# Altium PCB PCBrm.PcbDoc (part 4 of 7)
Units mm, origin at the board's own origin, x right, y up, seen from the top; angles counter-clockwise.
Board outline 220.73 x 137.67 mm, 2 copper layers (Top Layer, Bottom Layer); 138 components, 115 nets, 746 pads, 210 vias.
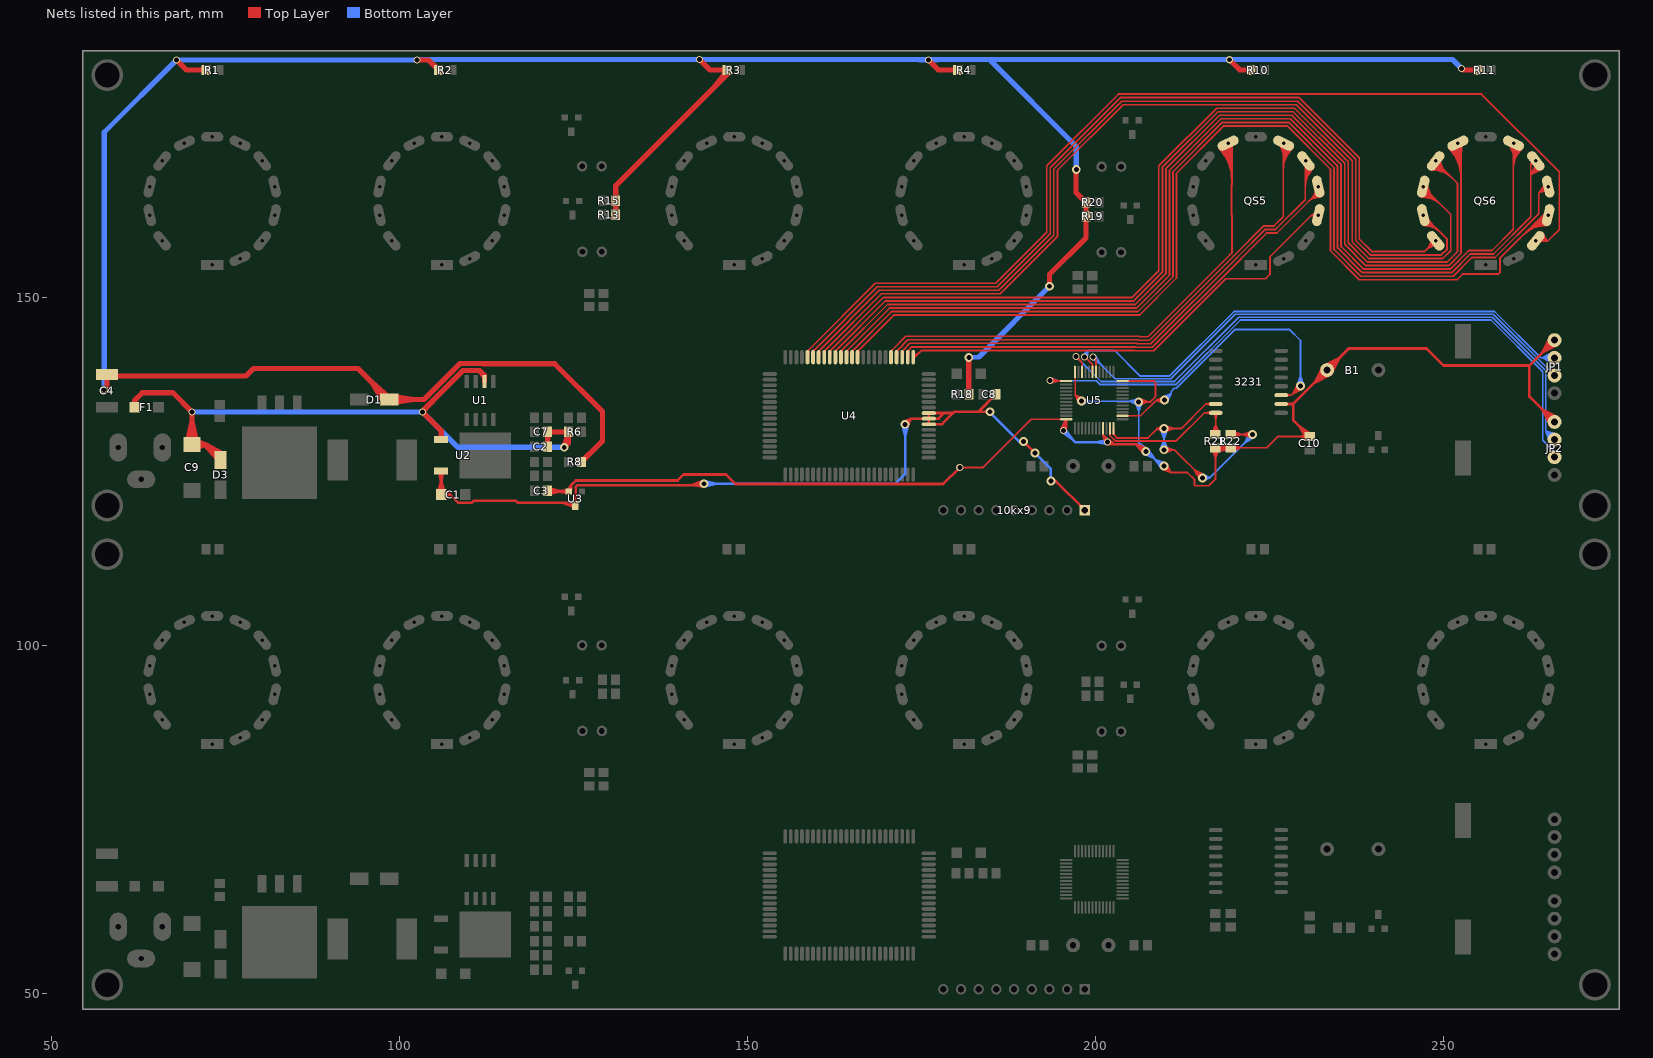
[diagram p4: the nets of this part, all layers, seen from the top]

## Via types
v1: diameter 1.27, hole 0.711, Top Layer to Bottom Layer, 118 vias
v2: diameter 1.016, hole 0.711, Top Layer to Bottom Layer, 52 vias
v3: diameter 0.61, hole 0.381, Top Layer to Bottom Layer, 40 vias

## Nets (pads, with @x,y where several pads share a name; then routed paths per layer and width w, separated by ;. In a path a pad name is that pad's centre, name@x,y a point inside that pad or via, vN(x,y) a via of type N, cw(c..) or ccw(c..) an arc to the next point about the centre after c; other vN are vias at no path point) (continued)
QS5-5: QS5.9 U4.45 | length 162.9
  Top Layer w0.254: U4.45@170.592,141.43 170.736,141.574 170.736,142.451 ; U4.45@170.716,142.26 cw(c170.844,142.344) 170.736,142.451 ; QS5.9@217.685,171.535 218.564,170.342 ; QS5.9@217.73,171.456 218.774,170.438 ; QS5.9@217.747,171.359 cw(c213.499,167.111) 219.507,167.111 ; QS5.9@217.904,171.669 218.564,170.342 ; QS5.9@217.925,171.623 218.774,170.438 ; QS5.9@217.927,171.538 cw(c214.112,167.724) 219.507,167.724 ; QS5.9@218.106,171.718 cw(c214.726,168.337) 219.507,168.337 ; QS5.9@218.286,171.898 cw(c215.339,168.951) 219.507,168.951 ; QS5.9@218.448,172.083 218.975,170.528 ; QS5.9@218.463,172.012 219.161,170.612 ; QS5.9@218.466,172.077 cw(c215.952,169.564) 219.507,169.564 ; QS5.9@218.486,171.948 219.325,170.685 ; QS5.9@218.507,171.902 219.559,170.524 ; QS5.9@218.509,171.871 218.774,170.438 ; QS5.9@218.519,171.823 218.564,170.342 ; QS5.9@218.52,171.879 219.407,170.938 ; QS5.9@218.623,171.751 219.427,171.393 ; QS5.9@218.645,172.257 cw(c216.565,170.177) 219.507,170.177 ; QS5.9@218.696,172.146 218.975,170.528 ; QS5.9@218.701,172.107 219.161,170.612 ; QS5.9@218.71,172.072 219.325,170.685 ; QS5.9@218.722,172.042 219.559,170.524 ; QS5.9@218.724,172.036 219.407,170.938 ; QS5.9@218.764,171.896 218.774,170.438 ; QS5.9@218.764,171.971 219.427,171.393 ; QS5.9@218.775,171.809 218.564,170.342 ; QS5.9@218.825,172.436 cw(c217.179,170.79) 219.507,170.79 ; QS5.9@218.963,172.155 219.559,171.558 ; QS5.9@219.004,172.616 cw(c217.792,171.403) 219.507,171.403 ; QS5.9@219.236,171.651 cw(c219.345,171.449) 219.507,171.611 cw(c219.669,171.773) QS5.9@219.467,171.882 ; QS5.9@219.318,172.266 219.427,171.393 ; QS5.9@219.325,172.242 219.559,170.524 ; QS5.9@219.328,172.228 219.407,170.938 ; QS5.9@219.331,172.131 218.975,170.528 ; QS5.9@219.331,172.202 219.325,170.685 ; QS5.9@219.333,172.167 219.161,170.612 ; QS5.9@219.576,172.056 218.975,170.528 ; QS5.9@219.58,172.258 219.559,170.524 ; QS5.9@219.58,172.26 219.427,171.393 ; QS5.9@219.585,172.118 219.161,170.612 ; QS5.9@219.585,172.218 219.407,170.938 ; QS5.9@219.587,172.179 219.325,170.685 ; 170.736,142.451 172.719,144.435 206.288,144.435 206.34,144.382 207.509,144.382 219.282,156.155 219.282,156.166 219.559,156.444 219.559,161.776 219.507,161.829 219.507,166.155 219.559,166.207 219.559,171.558 ; 218.564,170.342 218.203,171.779 218.774,170.438 ; 218.975,170.528 QS5.9@219.014,172.17 ; QS5.9@219.014,172.17 219.559,171.558 ; QS5.9@219.014,172.17 219.559,170.524 ; QS5.9@219.014,172.17 219.559,171.558 ; QS5.9@219.014,172.17 219.161,170.612 ; QS5.9@219.014,172.17 219.325,170.685 ; QS5.9@219.014,172.17 219.427,171.393 ; QS5.9@219.014,172.17 219.407,170.938 ; 219.559,171.558 218.822,171.915 219.559,171.558 ; 219.559,171.558 219.289,172.332 219.559,171.558 ; 219.559,171.558 218.747,171.663 219.559,171.558 ; 219.559,171.558 219.548,172.378 219.559,171.558
QS5-6: QS5.7 U4.44 | length 129.6
  Top Layer w0.254: U4.44@171.392,141.43 171.536,141.574 171.536,142.451 ; U4.44@171.516,142.26 cw(c171.644,142.344) 171.536,142.451 ; QS5.7@226.431,172.082 226.947,170.631 ; QS5.7@226.438,172.046 227.073,170.499 ; QS5.7@226.441,172.032 227.026,170.861 ; QS5.7@226.459,171.973 227.005,171.316 ; QS5.7@226.679,172.147 226.947,170.631 ; QS5.7@226.682,172.125 227.073,170.499 ; QS5.7@226.682,172.124 227.026,170.861 ; QS5.7@226.685,172.108 227.005,171.316 ; 226.947,168.423 cw(c231.099,168.423) QS5.7@228.163,171.359 ; 226.947,169.036 cw(c230.485,169.036) QS5.7@227.983,171.538 ; 226.947,169.649 cw(c229.872,169.649) QS5.7@227.804,171.718 ; 226.947,170.263 cw(c229.259,170.263) QS5.7@227.624,171.898 ; 226.947,170.876 cw(c228.646,170.876) QS5.7@227.444,172.077 ; QS5.7@226.947,171.489 cw(c228.033,171.489) QS5.7@227.265,172.257 ; QS5.7@226.947,172.102 cw(c227.419,172.102) QS5.7@227.085,172.436 ; QS5.7@226.947,172.155 226.947,161.626 225.616,160.294 224.129,160.294 219.79,155.955 219.79,155.944 207.719,143.874 206.13,143.874 206.077,143.927 173.011,143.927 171.536,142.451 ; QS5.7@227.237,171.82 227.419,170.347 ; QS5.7@227.248,171.897 227.232,170.429 ; QS5.7@227.311,172.113 227.005,171.316 ; QS5.7@227.314,172.126 226.947,170.631 ; QS5.7@227.315,172.138 227.026,170.861 ; QS5.7@227.316,172.154 227.073,170.499 ; QS5.7@227.493,171.829 227.419,170.347 ; QS5.7@227.503,171.872 227.232,170.429 ; QS5.7@227.539,171.982 227.005,171.316 ; QS5.7@227.557,172.045 226.947,170.631 ; QS5.7@227.559,172.056 227.026,170.861 ; QS5.7@227.566,172.097 227.073,170.499 ; QS5.7@228.086,171.623 227.232,170.429 ; QS5.7@228.105,171.663 227.419,170.347 ; QS5.7@228.281,171.456 227.232,170.429 ; QS5.7@228.322,171.525 227.419,170.347 ; 226.947,170.631 QS5.7@226.998,172.17 ; QS5.7@226.998,172.17 227.073,170.499 ; QS5.7@226.998,172.17 227.026,170.861 ; QS5.7@226.998,172.17 227.005,171.316 ; 227.232,170.429 227.808,171.779 227.419,170.347
QS5-7: QS5.6 U4.43 | length 113.5
  Top Layer w0.254: U4.43@172.192,141.43 172.336,141.574 172.336,142.451 ; U4.43@172.316,142.26 cw(c172.444,142.344) 172.336,142.451 ; 230.148,166.16 cw(c233.447,166.16) QS5.6@231.114,168.493 ; 230.148,166.773 cw(c232.834,166.773) QS5.6@230.935,168.672 ; 230.148,167.386 cw(c232.221,167.386) QS5.6@230.755,168.852 ; 230.148,168 cw(c231.607,168) QS5.6@230.575,169.032 ; QS5.6@230.148,169.602 230.103,169.556 230.103,164.063 225.826,159.786 224.339,159.786 220.298,155.745 220.298,155.734 207.93,143.366 205.92,143.366 205.867,143.419 173.303,143.419 172.336,142.451 ; QS5.6@230.189,168.96 230.337,167.26 ; QS5.6@230.194,169.003 230.239,167.468 ; QS5.6@230.204,169.051 230.218,167.923 ; QS5.6@230.212,169.082 230.103,167.753 ; QS5.6@230.239,169.153 230.198,168.377 ; QS5.6@230.445,168.963 230.337,167.26 ; QS5.6@230.45,168.99 230.239,167.468 ; QS5.6@230.461,169.025 230.218,167.923 ; QS5.6@230.465,169.036 230.103,167.753 ; QS5.6@230.497,169.094 230.198,168.377 ; QS5.6@230.928,168.642 230.198,168.377 ; QS5.6@230.974,168.382 230.198,168.377 ; QS5.6@231.015,168.722 230.218,167.923 ; QS5.6@231.017,168.724 230.103,167.753 ; QS5.6@231.047,168.775 230.239,167.468 ; QS5.6@231.06,168.806 230.337,167.26 ; QS5.6@231.176,168.52 230.218,167.923 ; QS5.6@231.186,168.53 230.103,167.753 ; QS5.6@231.253,168.622 230.239,167.468 ; QS5.6@231.283,168.68 230.337,167.26 ; 230.103,167.753 QS5.6@230.76,168.913 ; 230.198,168.377 QS5.6@230.76,168.913 ; 230.218,167.923 QS5.6@230.76,168.913 ; 230.239,167.468 QS5.6@230.76,168.913 ; 230.337,167.26 QS5.6@230.76,168.913
QS5-8: QS5.5 U4.42 | length 97.6
  Top Layer w0.254: U4.42@172.992,141.43 173.136,141.574 173.136,142.451 ; U4.42@173.116,142.26 cw(c173.244,142.344) 173.136,142.451 ; 230.581,163.823 cw(c232.125,162.279) QS5.5@232.125,164.462 ; 231.015,164.257 cw(c232.125,163.147) QS5.5@232.125,164.716 ; 231.381,164.623 ccw(c230.968,165.035) QS5.5@231.552,165.035 ; 231.448,164.69 cw(c232.125,164.014) QS5.5@232.125,164.97 ; QS5.5@231.738,165.421 231.34,164.506 ; QS5.5@231.742,165.426 231.033,164.17 ; QS5.5@231.762,165.448 231.007,164.249 ; QS5.5@231.766,165.452 231.473,164.743 ; QS5.5@231.924,165.913 231.924,165.166 226.036,159.278 224.549,159.278 220.806,155.535 220.806,155.523 208.14,142.858 205.709,142.858 205.657,142.911 173.595,142.911 173.136,142.451 ; QS5.5@231.954,165.28 231.033,164.17 ; QS5.5@231.961,165.287 231.34,164.506 ; QS5.5@231.966,165.292 231.007,164.249 ; QS5.5@231.99,165.31 231.473,164.743 ; QS5.5@232.192,164.478 231.473,164.743 ; QS5.5@232.24,164.738 231.473,164.743 ; QS5.5@232.305,164.759 231.34,164.506 ; QS5.5@232.325,164.769 231.007,164.249 ; QS5.5@232.337,164.501 231.34,164.506 ; QS5.5@232.341,164.778 231.033,164.17 ; QS5.5@232.397,164.522 231.007,164.249 ; QS5.5@232.428,164.536 231.033,164.17 ; 231.007,164.249 QS5.5@232.175,165.051 ; 231.033,164.17 QS5.5@232.175,165.051 ; 231.34,164.506 QS5.5@232.175,165.051 ; 231.473,164.743 QS5.5@232.175,165.051
QS5-9: QS5.4 U4.41 | length 81.1
  Top Layer w0.254: U4.41@173.712,141.554 174.713,142.11 ; U4.41@173.792,141.43 174.713,142.11 ; U4.41@173.863,141.26 175.006,142.403 205.446,142.403 205.499,142.35 208.354,142.35 218.694,152.69 224.409,152.69 225.04,153.32 225.04,155.86 230.998,161.818 ; U4.41@173.887,141.316 174.713,142.11 ; QS5.4@231.412,161.562 ccw(c230.998,161.356) 230.998,161.818 ; QS5.4@231.412,162.074 cw(c230.998,162.281) 230.998,161.818 ; QS5.4@231.705,161.328 231.253,161.895 ; QS5.4@231.794,162.377 231.253,161.895 ; QS5.4@231.799,162.379 230.998,161.818 ; QS5.4@231.816,161.283 230.998,161.818 ; QS5.4@231.879,161.53 231.253,161.895 ; QS5.4@231.918,162.147 230.998,161.818 ; QS5.4@231.924,161.818 230.998,161.818 ; QS5.4@231.928,161.518 230.998,161.818 ; QS5.4@231.932,162.15 231.253,161.895 ; 230.998,161.818 QS5.4@231.975,161.834 231.253,161.895
QS6-0: QS6.3 U4.60 | length 153.5
  Top Layer w0.254: U4.60@158.592,141.43 158.736,141.574 158.736,142.451 ; U4.60@158.716,142.26 cw(c158.844,142.344) 158.736,142.451 ; QS6.3@263.168,158.13 264.943,158.13 266.573,159.759 266.573,168.057 255.403,179.227 203.27,179.227 192.964,168.92 192.964,159.37 185.649,152.055 168.339,152.055 158.736,142.451 ; QS6.3@263.577,158.312 264.87,158.13 ; QS6.3@263.638,158.563 264.87,158.13 ; QS6.3@263.78,158.848 264.87,158.13 ; QS6.3@263.987,159.091 264.87,158.13 ; QS6.3@264.193,159.246 264.87,158.13
QS6-1: QS6.13 U4.59 | length 148.9
  Top Layer w0.254: U4.59@159.516,142.26 cw(c159.644,142.344) 159.536,142.451 ; U4.59@159.536,141.641 159.536,142.451 ; QS6.13@248.209,158.129 cw(c246.826,158.129) 247.804,157.151 cw(c248.782,156.173) QS6.13@248.782,157.556 ; QS6.13@248.329,158.417 248.09,157.371 ; QS6.13@248.355,158.46 248.024,157.438 ; QS6.13@248.362,158.471 247.779,157.126 ; QS6.13@248.463,158.129 cw(c247.693,158.129) 248.238,157.585 cw(c248.782,157.04) QS6.13@248.782,157.81 ; QS6.13@248.572,158.329 248.09,157.371 ; QS6.13@248.588,158.349 247.779,157.126 ; QS6.13@248.59,158.351 248.024,157.438 ; QS6.13@248.782,158.13 247.279,156.627 239.649,156.627 237.871,158.405 237.871,170.089 229.241,178.719 203.518,178.719 193.472,168.672 193.472,159.159 185.859,151.547 169.134,151.547 168.631,151.547 159.536,142.451 ; QS6.13@249.005,157.876 248.024,157.438 ; QS6.13@249.028,157.892 248.09,157.371 ; QS6.13@249.028,157.893 247.779,157.126 ; QS6.13@249.081,157.628 248.024,157.438 ; QS6.13@249.125,157.652 248.09,157.371 ; QS6.13@249.143,157.663 247.779,157.126 ; 247.779,157.126 QS6.13@248.833,158.145 ; 248.024,157.438 QS6.13@248.833,158.145 ; 248.09,157.371 QS6.13@248.833,158.145
QS6-2: QS6.12 U4.58 | length 166.3
  Top Layer w0.254: U4.58@160.192,141.43 160.336,141.574 160.336,142.451 ; U4.58@160.316,142.26 cw(c160.444,142.344) 160.336,142.451 ; QS6.12@247.006,161.818 250.477,158.347 250.477,156.956 249.64,156.119 239.439,156.119 237.363,158.194 237.363,169.878 229.031,178.211 203.728,178.211 193.98,168.462 193.98,158.949 186.069,151.039 169.426,151.039 168.923,151.039 160.336,142.451 ; QS6.12@247.02,160.435 248.407,160.119 ; QS6.12@247.087,160.409 248.408,160.3 ; QS6.12@247.099,160.679 248.407,160.119 ; QS6.12@247.105,160.404 248.507,160.317 ; QS6.12@247.133,160.662 248.408,160.3 ; QS6.12@247.145,160.657 248.507,160.317 ; QS6.12@247.198,160.643 248.102,160.636 ; QS6.12@247.206,160.368 cw(c247.206,157.35) 249.34,159.484 ; QS6.12@247.206,160.622 cw(c247.206,158.217) 248.906,159.918 ; QS6.12@247.206,160.876 cw(c247.206,159.084) 248.473,160.351 ; QS6.12@247.206,161.13 cw(c247.206,159.951) 248.039,160.785 ; QS6.12@247.234,160.384 248.102,160.636 ; QS6.12@247.421,161.23 248.102,160.636 ; QS6.12@247.433,161.222 248.507,160.317 ; QS6.12@247.447,161.212 248.408,160.3 ; QS6.12@247.472,161.191 248.407,160.119 ; QS6.12@247.616,161.402 248.507,160.317 ; QS6.12@247.619,161.4 248.102,160.636 ; QS6.12@247.641,161.381 248.408,160.3 ; QS6.12@247.68,161.342 248.407,160.119 ; QS6.12@247.257,160.956 248.507,160.317 ; QS6.12@247.257,160.956 248.407,160.119 ; QS6.12@247.257,160.956 248.408,160.3 ; QS6.12@247.257,160.956 248.102,160.636
QS6-3: QS6.11 U4.57 | length 185.8
  Top Layer w0.254: U4.57@160.992,141.43 161.136,141.574 161.136,142.451 ; U4.57@161.116,142.26 cw(c161.244,142.344) 161.136,142.451 ; QS6.11@246.645,164.518 248.171,164.221 ; QS6.11@246.714,164.495 248.214,164.408 ; QS6.11@246.715,164.765 248.171,164.221 ; QS6.11@246.717,165.466 248.151,164.768 ; QS6.11@246.751,164.749 248.214,164.408 ; QS6.11@246.787,164.482 248.185,164.601 ; QS6.11@246.789,164.739 248.185,164.601 ; QS6.11@246.805,164.462 cw(c246.805,160.477) 249.623,163.295 ; QS6.11@246.805,164.716 cw(c246.805,161.344) 249.19,163.729 ; QS6.11@246.805,164.97 cw(c246.805,162.212) 248.756,164.162 ; QS6.11@246.805,165.224 cw(c246.805,163.079) 248.323,164.596 ; QS6.11@246.805,165.478 cw(c246.805,163.946) 247.889,165.03 ; QS6.11@246.805,165.732 cw(c246.805,164.813) QS6.11@247.455,165.463 ; QS6.11@246.805,165.986 cw(c246.805,165.68) QS6.11@247.022,165.897 ; QS6.11@246.847,165.687 248.151,164.768 ; QS6.11@246.871,164.732 247.878,164.937 ; QS6.11@246.94,165.358 247.878,164.937 ; QS6.11@246.954,164.486 247.878,164.937 ; QS6.11@246.992,165.339 248.185,164.601 ; QS6.11@247.006,165.913 250.985,161.933 250.985,156.746 249.85,155.611 239.228,155.611 236.855,157.984 236.855,169.668 228.82,177.703 203.939,177.703 194.488,168.252 194.488,158.739 186.28,150.531 169.215,150.531 161.136,142.451 ; QS6.11@247.022,165.323 248.214,164.408 ; QS6.11@247.053,165.301 248.171,164.221 ; QS6.11@247.056,165.928 248.151,164.768 ; QS6.11@247.076,165.58 247.878,164.937 ; QS6.11@247.147,165.544 248.185,164.601 ; QS6.11@247.196,165.512 248.214,164.408 ; QS6.11@247.246,165.471 248.171,164.221 ; QS6.11@247.309,166.123 248.151,164.768 ; QS6.11@247.537,166.24 248.151,164.768 ; QS6.11@246.856,165.051 248.214,164.408 ; QS6.11@246.856,165.051 248.171,164.221 ; QS6.11@246.856,165.051 248.185,164.601 ; QS6.11@246.856,165.051 247.878,164.937
QS6-4: QS6.10 U4.56 | length 195.4
  Top Layer w0.254: U4.56@161.792,141.43 161.936,141.574 161.936,142.451 ; U4.56@161.916,142.26 cw(c162.044,142.344) 161.936,142.451 ; QS6.10@248.221,168.325 cw(c248.221,163.888) 251.358,167.026 ; QS6.10@248.221,168.579 cw(c248.221,164.755) 250.925,167.459 ; QS6.10@248.221,168.833 cw(c248.221,165.623) 250.491,167.893 ; QS6.10@248.221,169.087 cw(c248.221,166.49) 250.058,168.326 ; QS6.10@248.221,169.341 cw(c248.221,167.357) 249.624,168.76 ; QS6.10@248.221,169.595 cw(c248.221,168.224) QS6.10@249.19,169.194 ; QS6.10@248.221,169.849 cw(c248.221,169.092) QS6.10@248.757,169.627 ; QS6.10@248.351,169.307 249.43,168.157 ; QS6.10@248.404,169.237 249.599,168.322 ; QS6.10@248.458,169.184 249.743,168.449 ; QS6.10@248.488,169.16 249.52,168.739 ; QS6.10@248.5,169.151 249.838,168.546 ; QS6.10@248.551,169.467 249.43,168.157 ; QS6.10@248.577,169.426 249.599,168.322 ; QS6.10@248.604,169.395 249.743,168.449 ; QS6.10@248.612,169.386 249.52,168.739 ; QS6.10@248.625,169.375 249.838,168.546 ; QS6.10@248.782,169.602 251.968,166.416 251.968,156.579 250.491,155.103 239.018,155.103 236.267,157.853 236.267,169.48 228.553,177.195 217.357,177.195 209.067,168.905 209.067,153.854 205.236,150.023 169.507,150.023 161.936,142.451 ; QS6.10@249.088,169.809 249.838,168.546 ; QS6.10@249.104,169.785 249.743,168.449 ; QS6.10@249.11,169.775 249.52,168.739 ; QS6.10@249.123,169.749 249.599,168.322 ; QS6.10@249.139,169.707 249.43,168.157 ; QS6.10@249.319,169.92 249.838,168.546 ; QS6.10@249.345,169.875 249.743,168.449 ; QS6.10@249.36,169.842 249.52,168.739 ; QS6.10@249.373,169.809 249.599,168.322 ; QS6.10@249.394,169.734 249.43,168.157 ; QS6.10@248.833,169.617 249.838,168.546 ; QS6.10@248.833,169.617 249.743,168.449 ; QS6.10@248.833,169.617 249.599,168.322 ; QS6.10@248.833,169.617 249.43,168.157 ; QS6.10@248.833,169.617 249.52,168.739
QS6-5: QS6.9 U4.55 | length 227.4
  Top Layer w0.254: U4.55@162.592,141.43 162.736,141.574 162.736,142.451 ; U4.55@162.716,142.26 cw(c162.844,142.344) 162.736,142.451 ; QS6.9@250.704,171.536 251.58,170.34 ; QS6.9@250.749,171.457 251.79,170.435 ; QS6.9@250.767,171.359 cw(c246.642,167.234) 252.476,167.234 ; QS6.9@250.924,171.67 251.58,170.34 ; QS6.9@250.945,171.624 251.79,170.435 ; QS6.9@250.947,171.538 cw(c247.255,167.847) 252.476,167.847 ; QS6.9@251.126,171.718 cw(c247.868,168.46) 252.476,168.46 ; QS6.9@251.306,171.898 cw(c248.482,169.073) 252.476,169.073 ; QS6.9@251.467,172.086 251.988,170.524 ; QS6.9@251.482,172.017 252.171,170.605 ; QS6.9@251.486,172.077 cw(c249.095,169.686) 252.476,169.686 ; QS6.9@251.503,171.955 252.328,170.676 ; QS6.9@251.507,171.945 252.476,170.406 ; QS6.9@251.529,171.87 251.79,170.435 ; QS6.9@251.539,171.822 251.58,170.34 ; QS6.9@251.54,171.879 252.382,171.016 ; QS6.9@251.658,171.737 252.403,171.471 ; QS6.9@251.665,172.257 cw(c249.708,170.3) 252.476,170.3 ; QS6.9@251.716,172.148 251.988,170.524 ; QS6.9@251.721,172.11 252.171,170.605 ; QS6.9@251.729,172.076 252.328,170.676 ; QS6.9@251.733,172.065 252.476,170.406 ; QS6.9@251.744,172.038 252.382,171.016 ; QS6.9@251.785,171.894 251.79,170.435 ; QS6.9@251.788,171.967 252.403,171.471 ; QS6.9@251.796,171.807 251.58,170.34 ; QS6.9@251.845,172.436 cw(c250.321,170.913) 252.476,170.913 ; QS6.9@251.983,172.155 252.476,171.662 252.476,156.369 250.702,154.595 238.807,154.595 235.759,157.643 235.759,169.27 228.342,176.687 217.568,176.687 209.575,168.694 209.575,153.644 205.446,149.515 169.799,149.515 162.736,142.451 ; QS6.9@252.024,172.616 cw(c250.934,171.526) 252.476,171.526 ; QS6.9@252.341,172.258 252.403,171.471 ; QS6.9@252.349,172.22 252.476,170.406 ; QS6.9@252.349,172.221 252.382,171.016 ; QS6.9@252.351,172.13 251.988,170.524 ; QS6.9@252.352,172.198 252.328,170.676 ; QS6.9@252.353,172.165 252.171,170.605 ; QS6.9@252.595,172.054 251.988,170.524 ; QS6.9@252.603,172.235 252.403,171.471 ; QS6.9@252.604,172.115 252.171,170.605 ; QS6.9@252.605,172.22 252.476,170.406 ; QS6.9@252.607,172.173 252.328,170.676 ; QS6.9@252.606,172.2 252.382,171.016 ; 251.58,170.34 251.223,171.779 251.79,170.435 ; 251.988,170.524 QS6.9@252.034,172.17 ; QS6.9@252.034,172.17 252.403,171.471 ; QS6.9@252.034,172.17 252.382,171.016 ; QS6.9@252.034,172.17 252.328,170.676 ; QS6.9@252.034,172.17 252.171,170.605 ; QS6.9@252.034,172.17 252.476,170.406
QS6-6: QS6.7 U4.54 | length 205.6
  Top Layer w0.254: U4.54@163.392,141.43 163.536,141.574 163.536,142.451 170.091,149.007 205.657,149.007 210.083,153.433 210.083,168.484 217.778,176.179 228.132,176.179 235.251,169.059 235.251,157.338 238.502,154.087 250.912,154.087 253.588,156.763 256.93,156.763 259.967,159.799 QS6.7@259.967,172.155 ; U4.54@163.516,142.26 cw(c163.644,142.344) 163.536,142.451 ; QS6.7@259.451,172.082 259.967,170.631 ; QS6.7@259.458,172.046 260.093,170.499 ; QS6.7@259.461,172.032 260.046,170.861 ; QS6.7@259.479,171.973 260.025,171.316 ; QS6.7@259.699,172.147 259.967,170.631 ; QS6.7@259.702,172.125 260.093,170.499 ; QS6.7@259.702,172.124 260.046,170.861 ; QS6.7@259.705,172.108 260.025,171.316 ; 259.967,168.423 cw(c264.119,168.423) QS6.7@261.183,171.359 ; 259.967,169.036 cw(c263.505,169.036) QS6.7@261.003,171.538 ; 259.967,169.649 cw(c262.892,169.649) QS6.7@260.824,171.718 ; 259.967,170.263 cw(c262.279,170.263) QS6.7@260.644,171.898 ; 259.967,170.876 cw(c261.666,170.876) QS6.7@260.464,172.077 ; QS6.7@259.967,171.489 cw(c261.053,171.489) QS6.7@260.285,172.257 ; QS6.7@259.967,172.102 cw(c260.439,172.102) QS6.7@260.105,172.436 ; QS6.7@260.257,171.82 260.439,170.347 ; QS6.7@260.268,171.897 260.252,170.429 ; QS6.7@260.331,172.113 260.025,171.316 ; QS6.7@260.334,172.126 259.967,170.631 ; QS6.7@260.335,172.138 260.046,170.861 ; QS6.7@260.336,172.154 260.093,170.499 ; QS6.7@260.513,171.829 260.439,170.347 ; QS6.7@260.523,171.872 260.252,170.429 ; QS6.7@260.559,171.982 260.025,171.316 ; QS6.7@260.577,172.045 259.967,170.631 ; QS6.7@260.579,172.056 260.046,170.861 ; QS6.7@260.586,172.097 260.093,170.499 ; QS6.7@261.106,171.623 260.252,170.429 ; QS6.7@261.125,171.663 260.439,170.347 ; QS6.7@261.301,171.456 260.252,170.429 ; QS6.7@261.342,171.525 260.439,170.347 ; 259.967,170.631 QS6.7@260.018,172.17 ; QS6.7@260.018,172.17 260.046,170.861 ; QS6.7@260.018,172.17 260.093,170.499 ; QS6.7@260.018,172.17 260.025,171.316 ; 260.252,170.429 260.828,171.779 260.439,170.347
QS6-7: QS6.6 U4.53 | length 167.2
  Top Layer w0.254: U4.53@164.192,141.43 164.336,141.574 164.336,142.451 ; U4.53@164.316,142.26 cw(c164.444,142.344) 164.336,142.451 ; QS6.6@262.604,169.501 cw(c262.268,169.441) 262.509,169.2 ; QS6.6@263.168,169.602 263.142,169.576 262.885,169.576 262.509,169.2 ; QS6.6@263.318,169.253 262.509,167.67 ; QS6.6@263.537,169.12 262.509,167.67 ; QS6.6@263.78,168.913 262.509,167.67 ; QS6.6@263.982,168.666 262.509,167.67 ; QS6.6@264.109,168.445 262.509,167.67 ; 164.336,142.451 170.383,148.499 205.867,148.499 210.591,153.223 210.591,168.273 217.989,175.671 227.921,175.671 234.743,168.849 234.743,157.127 238.292,153.579 251.123,153.579 253.799,156.255 257.14,156.255 262.509,161.623 262.509,169.2 ; 262.509,169.2 QS6.6@263.219,169.617 262.509,169.2 ; 262.509,169.2 263.007,169.855 262.509,169.2 ; 262.509,169.2 263.324,169.316 262.509,169.2 ; 262.509,169.2 262.774,169.979 262.509,169.2 ; 262.509,169.2 263.319,169.053 262.509,169.2
QS6-8: QS6.5 U4.52 | length 154.3
  Top Layer w0.254: U4.52@164.992,141.43 165.136,141.574 165.136,142.451 ; U4.52@165.116,142.26 cw(c165.244,142.344) 165.136,142.451 ; QS6.5@264.593,166.337 263.7,165.057 ; QS6.5@264.791,166.173 263.7,165.057 ; QS6.5@264.944,165.913 264.556,165.913 263.65,165.006 263.65,162.045 257.351,155.747 254.009,155.747 251.333,153.071 238.081,153.071 234.235,156.917 234.235,168.638 227.711,175.163 218.199,175.163 211.099,168.063 211.099,153.013 206.077,147.991 170.675,147.991 165.136,142.451 ; QS6.5@264.995,165.928 263.7,165.057 ; QS6.5@265.145,165.647 263.7,165.057 ; QS6.5@265.222,165.402 263.7,165.057
QS6-9: QS6.4 U4.51 | length 219.5
  Top Layer w0.254: U4.51@165.792,141.43 165.936,141.574 165.936,142.451 ; U4.51@165.916,142.26 cw(c166.044,142.344) 165.936,142.451 ; 261.424,158.993 cw(c264.744,155.673) QS6.4@264.744,160.368 ; 261.858,159.426 cw(c264.744,156.54) QS6.4@264.744,160.622 ; 262.292,159.86 cw(c264.744,157.408) QS6.4@264.744,160.876 ; 262.725,160.294 cw(c264.744,158.275) QS6.4@264.744,161.13 ; 263.159,160.727 cw(c264.744,159.142) QS6.4@264.744,161.384 ; 263.592,161.161 cw(c264.744,160.009) QS6.4@264.744,161.638 ; 264.026,161.595 cw(c264.744,160.876) QS6.4@264.744,161.892 ; QS6.4@264.389,160.552 263.93,161.42 ; QS6.4@264.408,161.379 263.56,160.216 ; QS6.4@264.494,161.444 263.246,160.337 ; QS6.4@264.547,161.473 263.328,160.569 ; QS6.4@264.596,160.419 263.623,161.084 ; QS6.4@264.601,160.703 263.93,161.42 ; QS6.4@264.602,161.21 263.56,160.216 ; QS6.4@264.611,161.499 263.413,160.791 ; QS6.4@264.623,161.503 263.179,160.748 ; QS6.4@264.649,161.24 263.246,160.337 ; QS6.4@264.682,161.254 263.328,160.569 ; QS6.4@264.717,161.524 263.623,161.084 ; QS6.4@264.718,160.647 263.623,161.084 ; QS6.4@264.721,161.266 263.413,160.791 ; QS6.4@264.723,161.267 263.179,160.748 ; QS6.4@264.727,162.34 264.236,161.756 ; QS6.4@264.745,160.385 263.413,160.791 ; QS6.4@264.767,160.384 263.179,160.748 ; QS6.4@264.786,161.275 263.623,161.084 ; QS6.4@264.796,160.637 263.413,160.791 ; QS6.4@264.804,160.637 263.179,160.748 ; QS6.4@264.834,160.384 263.328,160.569 ; QS6.4@264.835,161.283 264.236,161.756 ; QS6.4@264.843,160.641 263.328,160.569 ; QS6.4@264.884,160.65 263.246,160.337 ; QS6.4@264.897,162.137 264.236,161.756 ; QS6.4@264.898,161.258 263.93,161.42 ; QS6.4@264.906,161.518 263.93,161.42 ; QS6.4@264.913,160.395 263.246,160.337 ; QS6.4@264.928,160.666 263.56,160.216 ; QS6.4@264.944,161.818 264.25,161.818 ; QS6.4@264.961,161.516 264.236,161.756 ; QS6.4@264.986,160.416 263.56,160.216 ; 165.936,142.451 170.967,147.483 206.288,147.483 211.607,152.802 211.607,167.852 218.41,174.655 227.5,174.655 233.727,168.428 233.727,156.707 237.871,152.563 251.892,152.563 252.705,153.375 257.861,153.375 258.06,153.574 258.06,155.628 264.25,161.818 ; 263.179,160.748 QS6.4@264.795,160.956 ; 263.246,160.337 QS6.4@264.795,160.956 ; 263.328,160.569 QS6.4@264.795,160.956 ; 263.413,160.791 QS6.4@264.795,160.956 ; 263.56,160.216 QS6.4@264.795,160.956 ; 263.623,161.084 QS6.4@264.795,160.956 ; 263.93,161.42 QS6.4@264.795,160.956 ; 264.236,161.756 QS6.4@264.995,161.834 ; 264.25,161.818 QS6.4@264.995,161.834 ; 264.25,161.818 264.921,162.144 264.25,161.818 ; 264.25,161.818 264.933,161.521 264.25,161.818 ; 264.25,161.818 264.764,162.358 264.25,161.818 ; 264.25,161.818 264.786,161.3 264.25,161.818 ; 264.25,161.818 QS6.4@264.995,161.834
RTC_INT: 3231.3 U5.14 | length 70
  Top Layer w0.254: U5.14@203.846,133.015 206.436,133.015 208.686,135.265 ; U5.14@204.596,133.015 205.508,133.015 ; v1@209.762,134.769 208.686,135.265 ; v1@209.762,135.761 208.686,135.265 ; v1@209.843,135.013 208.686,135.265 ; v1@209.843,135.518 208.686,135.265 ; 3231.3@226.645,135.976 228.117,135.976 ; 3231.3@227.32,135.976 228.117,135.976 ; 3231.3@227.339,135.804 228.117,135.976 ; 3231.3@227.339,136.148 228.117,135.976 ; v1@229.003,137.572 228.239,136.098 ; v1@229.22,137.437 228.239,136.098 ; v1@229.578,137.079 228.239,136.098 ; v1@229.713,136.862 228.239,136.098 ; 208.686,135.265 v1(209.871,135.265) 208.686,135.265 ; 228.117,135.976 v1(229.413,137.272) 228.239,136.098
  Bottom Layer w0.254: v1@209.584,135.684 210.845,136.24 ; v1@209.708,135.461 210.845,136.24 ; v1(209.871,135.265) 210.845,136.24 ; v1@210.066,135.103 210.845,136.24 ; v1@210.29,134.978 210.845,136.24 ; v1@228.913,137.364 229.413,138.669 ; v1@229.16,137.295 229.413,138.669 ; v1(229.413,137.272) 229.413,143.823 227.81,145.425 220.031,145.425 211.573,136.967 211.307,136.967 210.845,136.506 210.845,136.24 ; v1@229.666,137.295 229.413,138.669 ; v1@229.912,137.364 229.413,138.669
RTC_SCL: 3231.16 R21.1 U5.11 | length 33.7
  Top Layer w0.254: U5.11@202.046,130.465 202.046,130.17 ; U5.11@202.046,131.215 202.046,130.17 ; 3231.16@216.554,133.264 215.621,133.436 ; 3231.16@216.554,133.609 215.621,133.436 ; 3231.16@216.57,133.436 215.621,133.436 ; R21.1@216.685,130.437 217.245,131.736 ; R21.1@216.929,130.357 217.245,131.736 ; 3231.16@217.073,133.422 217.245,132.374 3231.16@217.418,133.422 ; R21.1@217.464,130.339 217.245,131.736 ; R21.1@217.712,130.401 217.245,131.736 ; 202.046,130.17 202.819,129.398 211.582,129.398 215.621,133.436 ; 215.621,133.436 3231.16@217.245,133.436 217.245,130.372 R21.1@217.195,130.322 217.245,131.736
RTC_SDA: 3231.15 R22.1 U5.12 | length 105.4
  Top Layer w0.254: U5.12@202.546,130.465 203.073,129.804 ; U5.12@202.546,131.215 202.546,130.331 203.073,129.804 ; 207.493,129.804 207.442,129.804 ; v1@209.674,130.685 208.813,131.176 ; v1@209.674,131.667 208.813,131.176 ; v1@209.771,130.924 208.813,131.176 ; v1@209.771,131.428 208.813,131.176 ; v1(209.804,128.128) 211.303,128.128 v1(215.341,124.089) 214.167,125.263 ; v1@209.827,127.875 211.201,128.128 ; v1@209.827,128.381 211.201,128.128 ; v1@209.827,130.923 211.201,131.176 ; v1@209.827,131.429 211.201,131.176 ; v1@209.896,127.628 211.201,128.128 ; v1@209.896,128.627 211.201,128.128 ; v1@209.896,130.676 211.201,131.176 ; v1@209.896,131.675 211.201,131.176 ; v1@214.931,123.789 214.167,125.263 ; v1@215.148,123.924 214.167,125.263 ; v1@215.507,124.282 214.167,125.263 ; v1@215.641,124.499 214.167,125.263 ; 3231.15@216.551,134.534 215.798,134.706 ; 3231.15@216.551,134.878 215.798,134.706 ; 3231.15@216.57,134.706 215.798,134.706 ; 3231.15@217.245,134.706 215.798,134.706 ; R22.1@219.405,130.322 222.494,130.322 v1(222.504,130.312) 221.107,130.322 ; R22.1@219.505,130.322 220.917,130.322 ; R22.1@219.531,130.055 220.917,130.322 ; R22.1@219.531,130.59 220.917,130.322 ; R22.1@219.602,129.808 220.917,130.322 ; R22.1@219.602,130.836 220.917,130.322 ; v1@222.408,129.813 221.107,130.322 ; v1@222.415,130.812 221.107,130.322 ; v1@222.479,130.059 221.107,130.322 ; v1@222.483,130.565 221.107,130.322 ; 203.073,129.804 207.442,129.804 ; 207.442,129.804 208.813,131.176 ; 208.813,131.176 v1(209.804,131.176) 212.268,131.176 215.798,134.706
  Bottom Layer w0.254: v1@209.304,128.22 209.804,129.525 ; v1@209.304,131.083 209.804,129.779 ; v1@209.551,128.151 209.804,129.525 ; v1@209.551,131.153 209.804,129.779 ; v1(209.804,128.128) v1(209.804,131.176) ; v1@210.057,128.151 209.804,129.525 ; v1@210.057,131.153 209.804,129.779 ; v1@210.304,128.22 209.804,129.525 ; v1@210.304,131.083 209.804,129.779 ; v1(215.341,124.089) 216.383,124.089 ; v1@215.372,123.837 216.383,124.089 ; v1@215.372,124.341 216.383,124.089 ; v1@215.465,123.597 216.383,124.089 ; v1@215.465,124.582 216.383,124.089 ; v1@222.081,130.594 221.385,129.091 ; v1@222.304,130.469 221.385,129.091 ; v1@222.678,130.127 221.385,129.091 ; v1@222.821,129.916 221.385,129.091 ; 216.383,124.089 222.555,130.261 v1(222.504,130.312) 221.385,129.091
RX: JP1.2 U5.31 | length 94.9
  Top Layer w0.254: v2(198.399,141.488) 199.546,140.341 ; U5.31@199.546,139.315 199.546,140.341 ; 199.546,140.341 199.546,140.065 199.546,140.341
  Bottom Layer w0.254: v2@198.11,141.736 198.933,142.403 ; v2@198.758,141.359 198.933,142.403 ; JP1.2@265.696,140.49 264.151,141.336 ; JP1.2@265.696,142.182 264.151,141.336 ; JP1.2@265.804,140.726 264.151,141.336 ; JP1.2@265.804,141.945 264.151,141.336 ; JP1.2@265.875,140.973 264.151,141.336 ; JP1.2@265.875,141.699 264.151,141.336 ; 198.933,142.403 v2(198.399,141.488) 198.399,141.869 198.933,142.403 ; 198.933,142.403 202.692,142.403 206.35,138.745 210.626,138.745 219.872,147.991 257.293,147.991 263.947,141.336 JP1.2@265.913,141.336 264.151,141.336
SWCLK: JP2.3 U5.37 | length 100.5
  Top Layer w0.254: v2@193.465,137.681 194.692,138.015 ; v2@193.491,138.434 194.692,138.015 ; 194.084,138.015 U5.37@194.996,138.015 ; U5.37@195.746,138.015 193.465,138.015 v2(193.421,138.059) 194.692,138.015
  Bottom Layer w0.254: v2(193.421,138.059) 200.06,138.059 200.593,137.526 211.557,137.526 220.802,146.771 256.788,146.771 264.227,139.332 264.227,129.477 265.913,127.792 JP2.3@265.913,127.061 ; v2@193.478,137.683 194.691,138.059 v2@193.478,138.436
SWDIO: JP2.2 U5.34 | length 102.2
  Top Layer w0.254: v2(197.18,141.514) 198.046,140.647 ; U5.34@198.046,139.315 198.046,140.647 ; U5.34@198.046,140.065 198.046,140.647
  Bottom Layer w0.254: v2(197.18,141.514) 200.762,137.932 211.303,137.932 220.548,147.178 256.956,147.178 264.633,139.5 264.633,130.88 ; JP2.2@265.165,129.151 264.633,130.88 ; JP2.2@265.406,129.245 264.633,130.88 ; JP2.2@265.63,129.37 264.633,130.88 ; JP2.2@266.143,129.884 264.633,130.88 ; JP2.2@266.269,130.107 264.633,130.88 ; JP2.2@266.363,130.349 264.633,130.88 ; 264.633,130.88 JP2.2@265.913,129.601 264.633,130.88
TX: JP1.3 U5.30 | length 81.3
  Top Layer w0.254: v2(199.619,141.488) 200.046,141.06 U5.30@200.046,139.315 ; U5.30@200.046,140.065 200.046,140.977
  Bottom Layer w0.254: v2@199.386,141.186 200.665,140.441 v2@199.92,141.721 ; v2(199.619,141.488) 202.768,138.339 210.795,138.339 220.04,147.584 257.124,147.584 JP1.3@265.913,138.796
VCC: 3231.2 B1.1 C3.2 C10.2 JP1.1 JP2.1 R21.2 R22.2 U3.2 U5.9 U5.24 U5.36 U5.48 | length 450.4
  Top Layer w0.254: 197.046,137.653 U5.36@197.046,138.565 ; U5.36@197.046,139.315 197.046,136.009 ; v1@197.518,134.833 197.046,136.009 ; v1@197.745,134.952 197.046,136.009 ; v1@198.103,135.31 197.046,136.009 ; v1@198.222,135.537 197.046,136.009 ; U5.24@203.846,138.015 208.324,138.015 208.585,137.754 208.585,135.748 207.848,135.011 v1(206.172,135.011) ; U5.24@204.596,138.015 205.508,138.015 ; v1@206.195,134.758 207.569,135.011 ; v1@206.195,135.264 207.569,135.011 ; v1@206.264,134.512 207.569,135.011 ; v1@206.264,135.511 207.569,135.011 ; v1@209.52,125.37 210.744,124.851 ; v1@209.642,125.595 210.744,124.851 ; v1(209.804,125.791) 210.744,124.851 ; v1@210,125.953 210.744,124.851 ; v1@210.225,126.075 210.744,124.851 ; R21.2@216.681,128.326 217.195,127.01 ; R21.2@216.928,128.397 217.195,127.01 ; R21.2@217.257,128.156 R22.2@218.788,128.073 ; R21.2@217.257,128.689 R22.2@218.788,128.772 ; R21.2@217.265,127.9 R22.2@218.788,128.073 ; R21.2@217.265,128.944 R22.2@218.788,128.772 ; R21.2@217.29,128.153 R22.2@218.749,128.257 ; R21.2@217.29,128.691 R22.2@218.749,128.588 ; R21.2@217.33,127.901 R22.2@218.749,128.257 ; R21.2@217.33,128.944 R22.2@218.749,128.588 ; R21.2@217.35,128.159 R22.2@218.749,128.588 ; R21.2@217.35,128.686 R22.2@218.749,128.257 ; R21.2@217.379,128.167 R22.2@218.788,128.772 ; R21.2@217.379,128.678 R22.2@218.788,128.073 ; R21.2@217.446,127.922 R22.2@218.749,128.588 ; R21.2@217.446,128.923 R22.2@218.749,128.257 ; R21.2@217.463,128.397 217.195,127.01 ; R21.2@217.5,127.941 R22.2@218.788,128.772 ; R21.2@217.5,128.904 R22.2@218.788,128.073 ; R21.2@217.709,128.326 217.195,127.01 ; R22.2@219.208,127.908 R21.2@217.893,128.422 ; R22.2@219.208,128.936 R21.2@217.893,128.422 ; R22.2@219.28,128.155 R21.2@217.893,128.422 ; R22.2@219.28,128.69 R21.2@217.893,128.422 ; R22.2@219.305,128.422 R21.2@217.893,128.422 ; R22.2@219.505,128.422 220.917,128.422 ; R22.2@219.531,128.155 220.917,128.422 ; R22.2@219.531,128.69 220.917,128.422 ; R22.2@219.602,127.908 220.917,128.422 ; R22.2@219.602,128.936 220.917,128.422 ; C10.2@230.562,129.504 229.247,130.018 ; C10.2@230.562,130.532 229.247,130.018 ; C10.2@230.633,129.75 229.247,130.018 ; C10.2@230.633,130.285 229.247,130.018 ; C10.2@230.659,130.018 229.247,130.018 ; C10.2@230.759,130.018 226.172,130.018 224.577,128.422 R22.2@219.405,128.422 R21.2@217.195,128.422 217.195,123.886 216.256,122.946 214.198,122.946 214.198,123.835 213.182,124.851 210.744,124.851 ; 197.046,136.009 v1(197.942,135.113) 197.046,136.009 ; R21.2@217.295,128.422 R22.2@218.707,128.422 ; R21.2@217.295,128.422 R22.2@218.707,128.422 ; R21.2@217.295,128.422 R22.2@218.749,128.588 ; R21.2@217.295,128.422 R22.2@218.749,128.257 ; R21.2@217.295,128.422 R22.2@218.788,128.772 ; R21.2@217.295,128.422 R22.2@218.788,128.073 ; R22.2@218.707,128.422 217.321,128.155 R22.2@218.707,128.422 ; R22.2@218.707,128.422 217.321,128.69 R22.2@218.707,128.422 ; R22.2@218.707,128.422 217.392,127.908 R22.2@218.707,128.422 ; R22.2@218.707,128.422 217.392,128.936 R22.2@218.707,128.422
  Top Layer w0.281: v2(180.467,125.603) 183.81,125.603 190.722,132.515 U5.48@195.746,132.515 ; 194.003,132.515 U5.48@194.996,132.515 ; U5.9@201.054,131.208 201.054,130.261 ; v2@201.365,129.097 201.054,130.261 ; v2(201.701,129.245) 201.054,130.261 ; v2@201.943,129.487 201.828,129.487 201.054,130.261 ; v2@201.977,129.488 201.054,130.261 ; 201.054,130.261 201.046,130.465 201.054,130.261
  Top Layer w0.381: C3.2@121.303,121.777 123.069,122.133 ; C3.2@121.354,122.687 123.069,122.133 ; U3.2@124.051,122.267 124.65,123.038 ; U3.2@124.26,121.868 122.682,122.133 U3.2@124.26,122.399 ; U3.2@124.541,122.067 124.65,123.038 ; v2(180.467,125.603) 178.076,123.212 148.248,123.212 146.888,124.572 140.792,124.572 139.929,123.708 125.321,123.708 124.65,123.038 ; v2@201.648,128.932 202.624,128.928 ; v2@201.852,129.525 202.624,128.928 ; v1@206.879,127.58 205.803,128.928 ; v1(207.188,127.899) 205.803,128.928 ; v1@207.405,128.287 205.803,128.928 ; v1@207.442,127.848 206.883,127.848 205.803,128.928 ; 3231.2@226.645,134.706 228.371,134.706 ; 3231.2@227.32,134.706 228.371,134.706 ; C10.2@230.289,129.745 229.301,131.476 ; C10.2@230.659,130.018 229.301,131.476 ; C10.2@230.759,130.018 228.371,132.405 228.371,134.706 ; C10.2@230.957,130.367 229.301,131.476 ; B1.1@232.592,140.058 231.44,137.775 ; B1.1@232.774,140.239 235.056,141.391 ; B1.1@232.921,139.86 231.44,137.775 ; B1.1@232.972,139.911 235.056,141.391 ; B1.1@233.525,139.256 231.44,137.775 ; B1.1@233.576,139.307 235.056,141.391 ; B1.1@233.723,138.927 231.44,137.775 ; B1.1@233.904,139.109 235.056,141.391 ; JP2.1@265.257,131.666 264.104,133.949 ; JP1.1@265.257,144.35 264.104,142.068 ; JP2.1@265.585,131.864 264.104,133.949 ; JP1.1@265.585,144.152 264.104,142.068 ; JP2.1@265.913,132.141 262.28,135.773 262.28,140.244 ; JP2.1@266.189,132.468 264.104,133.949 ; JP1.1@266.189,143.548 264.104,142.068 ; JP2.1@266.387,132.797 264.104,133.949 ; JP1.1@266.387,143.22 264.104,142.068 ; 123.069,122.133 C3.2@121.27,122.235 121.371,122.133 U3.2@124.282,122.133 ; U3.2@124.282,122.133 124.65,123.038 ; U3.2@124.282,122.133 124.65,122.502 124.65,123.038 ; v2(195.351,130.922) U5.48@195.746,132.515 ; v2(195.351,130.922) U5.48@195.746,132.515 ; v2(195.351,130.922) 195.746,131.317 ; 195.746,131.317 U5.48@195.746,132.515 ; 195.746,131.317 U5.48@195.746,132.515 ; U5.48@195.746,132.515 195.666,130.876 U5.48@195.746,132.515 ; U5.48@195.746,132.515 195.052,131.028 U5.48@195.746,132.515 ; v2(201.701,129.245) 202.307,129.245 ; v2(201.701,129.245) 202.624,128.928 ; v2(201.701,129.245) 202.307,129.245 ; 202.307,129.245 201.785,128.939 202.307,129.245 ; 202.307,129.245 201.785,129.552 202.307,129.245 ; 202.307,129.245 202.624,128.928 ; 202.624,128.928 205.803,128.928 ; 228.371,134.706 B1.1@233.248,139.583 236.347,142.682 247.548,142.682 249.987,140.244 262.28,140.244 ; 262.28,140.244 JP1.1@265.913,143.876 264.104,142.068
  Bottom Layer w0.254: v1(197.942,135.113) 206.07,135.113 v1(206.172,135.011) ; v1@197.965,134.86 199.339,135.113 ; v1@197.965,135.366 199.339,135.113 ; v1@198.035,134.613 199.339,135.113 ; v1@198.035,135.612 199.339,135.113 ; v1@205.672,134.919 206.172,133.614 ; v1@205.919,134.988 206.172,133.614 ; v1@206.044,134.519 204.767,135.113 ; v1@206.116,135.516 204.767,135.113 ; v1@206.131,134.761 204.767,135.113 ; v1@206.167,135.265 204.767,135.113 ; v1@206.425,134.988 206.172,133.614 ; v1@206.671,134.919 206.172,133.614 ; v1@206.751,127.641 206.172,129.118 ; v1@206.926,127.464 208.443,126.847 ; v1@206.98,127.753 206.172,129.118 ; v1@207.04,127.692 208.443,126.847 ; v1@207.366,128.081 208.443,126.847 ; v1@207.369,128.077 206.172,129.118 ; v1@207.442,127.848 209.652,125.639 v1(209.804,125.791) 208.508,126.782 ; v1@207.521,128.283 206.172,129.118 ; v1@207.571,128.233 208.443,126.847 ; v1@209.436,125.44 208.508,126.782 ; v1@209.634,125.602 208.508,126.782 ; v1@209.942,126.004 208.508,126.782 ; v1@210.046,126.238 208.508,126.782 ; 204.767,135.113 v1(206.172,135.011) ; 206.172,129.118 v1(207.188,127.899) ; 206.172,129.118 207.188,128.102 v1(207.188,127.899) ; 206.172,129.118 v1(206.172,135.011) ; v1(207.188,127.899) 208.443,126.847
  Bottom Layer w0.381: v2@195.147,130.679 196.668,129.606 v2@195.594,131.126 ; v2(195.351,130.922) 197.053,129.22 v2@201.701,129.22 ; v2@201.666,129.561 200.05,129.22 ; v2@201.676,128.929 200.05,129.22 ; v2(201.701,129.245) 200.05,129.22 ; v1@206.883,127.848 v1@207.442,127.848
VCC5: 10kx9.1 C1.1 C8.2 U2.2 U3.3 U4.31 U4.32 U4.33 | length 168.4
  Top Layer w0.381: C1.1@105.403,121.784 105.956,123.607 ; U2.2@105.653,125.062 105.956,123.452 U2.2@106.26,125.062 ; U2.2@105.956,125.09 105.956,121.714 C1.1@105.969,121.702 ; C1.1@106.097,121.145 107.245,121.702 ; C1.1@106.097,122.259 107.245,121.702 ; C1.1@106.533,121.791 105.956,123.607 ; U3.3@124.957,120.312 125.285,121.881 ; U3.3@125.151,119.844 123.308,120.495 ; U3.3@125.222,120.279 125.285,121.881 ; U3.3@125.258,120.366 123.308,120.495 ; U3.3@125.488,120.291 125.285,121.881 ; v1@143.608,123.683 141.886,123.035 ; v1@143.712,122.807 141.886,123.035 ; v1@172.37,132.154 173.438,132.605 ; v1(172.618,131.785) 173.438,132.605 ; v1@172.987,131.537 173.438,132.605 ; 173.849,132.605 U4.32@175.267,132.605 ; U4.31@176.767,131.805 177.921,131.805 ; U4.32@176.767,132.605 177.406,132.605 ; U4.33@176.767,133.405 178.185,133.405 ; v1(184.798,133.591) 183.132,133.591 ; C8.2@185.684,136.129 185.669,136.129 183.132,133.591 ; v1(189.636,129.311) v1(191.287,127.66) ; v1(193.548,123.647) 194.234,123.647 10kx9.1@198.425,119.456 ; 105.956,123.607 C1.1@105.969,121.702 ; C1.1@105.969,121.702 107.245,121.702 ; 107.245,121.702 108.452,120.495 110.344,120.495 110.661,120.813 116.673,120.813 116.991,120.495 124.828,120.495 U3.3@125.222,120.101 ; 123.308,120.495 U3.3@125.222,120.101 ; U3.3@125.222,120.101 125.285,120.165 125.285,122.775 125.546,123.035 143.497,123.035 v1(143.713,123.251) 141.886,123.035 ; 173.438,132.605 U4.32@176.017,132.605 ; U4.32@176.017,132.605 177.406,132.605 ; U4.32@176.017,132.605 U4.33@176.017,133.405 178.206,133.405 ; U4.32@176.017,132.605 U4.31@176.017,131.805 177.921,131.805 ; 177.406,132.605 178.206,133.405 ; 177.921,131.805 179.521,133.405 ; 178.206,133.405 179.521,133.405 ; 179.521,133.405 179.708,133.591 183.132,133.591
  Bottom Layer w0.381: v1(143.713,123.251) 171.221,123.251 172.618,124.648 v1(172.618,131.785) ; v1@143.769,122.81 145.491,123.251 v1@143.769,123.692 ; v1@172.177,131.73 172.618,130.007 v1@173.059,131.73 ; v1(184.798,133.591) 184.798,133.496 188.982,129.311 v1(189.636,129.311) ; v1(191.287,127.66) 193.548,125.4 v1(193.548,123.647)
VCC12: C2.2 C7.2 C9.1 D3.1 F1.2 R6.2 U1.6 U2.1 | length 138.1
  Top Layer w0.762: F1.2@61.925,134.264 61.925,135.204 63.043,136.322 67.422,136.322 v2(70.18,133.563) C9.1@70.18,128.89 72.042,128.89 ; C9.1@69.485,128.962 70.18,132.256 C9.1@70.875,128.962 ; C9.1@70.305,128.89 72.042,128.89 ; C9.1@70.446,128.205 72.042,128.89 ; C9.1@70.446,129.574 72.042,128.89 ; D3.1@73.929,126.754 72.042,128.89 ; D3.1@74.27,126.662 72.042,128.89 ; D3.1@74.27,127.112 72.042,128.89 ; D3.1@74.543,127.523 72.042,128.89 ; 105.345,135.768 v2(103.302,133.563) ; U2.1@105.956,129.59 105.956,130.909 v2(103.302,133.563) ; U1.6@112.192,137.945 112.179,137.958 112.179,138.818 111.49,139.507 ; U1.6@112.192,138.567 111.49,139.507 ; v2(103.302,133.563) 103.302,133.725 109.084,139.507 111.49,139.507 ; C7.2@121.244,130.678 121.244,128.634 121.26,130.593 C2.2@121.244,128.534 C7.2@121.244,130.678 ; C7.2@121.244,130.678 C7.2@121.26,130.693 R6.2@124.236,130.693 ; v1(123.647,128.483) 124.236,130.593 124.236,129.073 ; v1(123.647,128.483) R6.2@124.236,130.693 ; v1(123.647,128.483) 124.236,129.073 ; 124.236,129.073 R6.2@124.236,130.693
  Bottom Layer w0.762: v2(70.18,133.563) v2(103.302,133.563) 108.382,128.483 v1(123.647,128.483)
VH: C4.1 D1.1@98.483,135.341 R1.2 R2.2 R3.2 R4.2 R8.1 R10.2 R11.2 R13.1 R15.1 R18.2 R19.1 R20.1 | length 490.4
  Top Layer w0.762: C4.1@57.023,138.735 C4.1@57.963,138.735 ; v1(57.556,136.754) 57.963,137.16 C4.1@57.963,138.735 ; C4.1@57.963,138.938 C4.1@57.963,138.735 ; v2(67.945,184.135) 69.393,182.687 R1.2@72.151,182.687 ; D1.1@97.628,135.059 95.992,137.833 ; D1.1@98.033,135.341 95.992,137.833 ; D1.1@98.39,135.683 95.992,137.833 ; D1.1@98.933,135.341 102.094,135.341 ; D1.1@98.972,134.849 102.094,135.341 ; D1.1@98.972,135.834 102.094,135.341 ; v2(102.464,184.135) 104.155,184.135 ; R2.2@105.603,182.687 104.155,184.135 ; R2.2@105.603,182.787 104.155,184.135 ; R8.1@126.136,126.375 129.134,129.372 129.134,133.614 122.276,140.472 111.961,140.472 111.91,140.523 108.663,140.523 103.482,135.341 D1.1@98.483,135.341 94.013,139.812 78.994,139.812 77.917,138.735 C4.1@57.963,138.735 ; R8.1@126.136,126.475 128.403,128.642 ; R13.1@131.023,161.984 R15.1@131.023,163.916 131.023,166.009 147.03,182.016 R3.2@147.03,182.687 144.577,182.687 v2(143.078,184.186) ; 144.954,179.94 R3.2@147.03,182.587 ; v2(175.971,184.109) 177.394,182.687 R4.2@180.177,182.687 ; 181.762,139.165 R18.2@181.798,136.229 ; v1(181.762,141.387) 181.762,136.164 R18.2@181.798,136.129 ; v1(193.37,151.623) 193.37,153.35 198.592,158.572 R19.1@198.592,161.656 R20.1@198.592,163.662 197.155,165.1 197.155,168.336 v1(197.206,168.387) ; 198.592,158.62 R19.1@198.592,161.556 ; v2(219.227,184.16) 220.701,182.687 R10.2@222.316,182.687 ; v2(252.527,182.89) 252.73,182.687 R11.2@254.904,182.687
  Bottom Layer w0.762: v1(57.556,136.754) 57.556,173.746 v2(67.945,184.135) 102.413,184.135 102.464,184.186 v2(143.078,184.186) 184.709,184.186 ; 99.67,184.135 v2(102.464,184.135) 105.26,184.186 ; 173.172,184.186 v2(175.971,184.109) 178.77,184.186 ; v1(181.762,141.387) 183.21,141.463 v1(193.37,151.623) ; v1(197.206,168.387) 197.206,171.689 184.709,184.186 ; 216.433,184.186 v2(219.227,184.16) 222.022,184.186 ; v2(252.527,182.89) 251.231,184.186 184.709,184.186
pads on no net: 10kx9.9 10kx9_1.1 10kx9_1.2 10kx9_1.3 10kx9_1.4 10kx9_1.5 10kx9_1.6 10kx9_1.7 10kx9_1.8 10kx9_1.9 3231.1 3231.4 3231_1.1 3231_1.2 3231_1.3 3231_1.4 3231_1.5 3231_1.6 3231_1.7 3231_1.8 3231_1.9 3231_1.10 3231_1.11 3231_1.12 3231_1.13 3231_1.14 3231_1.15 3231_1.16 B1_1.1 B1_1.2 BT1_1.+ BT1_1.- C1_1.1 C1_1.2 C2_1.1 C2_1.2 C3_1.1 C3_1.2 C4_1.1 C4_1.2 C5_1.1 C5_1.2 C6_1.1 C6_1.2 C7_1.1 C7_1.2 C8_1.1 C8_1.2 C9_1.1 C9_1.2 C10_1.1 C10_1.2 C11_1.1 C11_1.2 C12_1.1 C12_1.2 D1_1.1 D1_1.2 D1_1.3 D2_1.1 D2_1.2 D3_1.1 D3_1.3 F1_1.1 F1_1.2 JP1_1.1 JP1_1.2 JP1_1.3 JP1_1.4 JP2_1.1 JP2_1.2 JP2_1.3 JP2_1.4 L1_1.1 L1_1.2 Q1_1.1 Q1_1.2 Q1_1.3 Q2_1.1 Q2_1.2 Q2_1.3 Q3_1.1 Q3_1.2 Q3_1.3 Q4_1.1 Q4_1.2 Q4_1.3 Q5_1.1 Q5_1.2 Q5_1.3 Q6_1.1 Q6_1.2 Q6_1.3 QS1.1 QS1.8 QS1_1.1 QS1_1.2 QS1_1.3 QS1_1.4 QS1_1.5 QS1_1.6 QS1_1.7 QS1_1.8 QS1_1.9 QS1_1.10 QS1_1.11 QS1_1.12 QS1_1.13 QS2.1 QS2.8 QS2_1.1 QS2_1.2 QS2_1.3 QS2_1.4 QS2_1.5 QS2_1.6 QS2_1.7 QS2_1.8 QS2_1.9 QS2_1.10 QS2_1.11 QS2_1.12 QS2_1.13 QS3.1 QS3.8 QS3_1.1 QS3_1.2 QS3_1.3 QS3_1.4 QS3_1.5 QS3_1.6 QS3_1.7 QS3_1.8 QS3_1.9 QS3_1.10 QS3_1.11 QS3_1.12 QS3_1.13 QS4.1 QS4.8 QS4_1.1 QS4_1.2 QS4_1.3 QS4_1.4 QS4_1.5 QS4_1.6 QS4_1.7 QS4_1.8 QS4_1.9 QS4_1.10 QS4_1.11 QS4_1.12 QS4_1.13 QS5.1 QS5.8 QS5_1.1 QS5_1.2 QS5_1.3 QS5_1.4 QS5_1.5 QS5_1.6 QS5_1.7 QS5_1.8 QS5_1.9 QS5_1.10 QS5_1.11 QS5_1.12 QS5_1.13 QS6.1 QS6.8 QS6_1.1 QS6_1.2 QS6_1.3 QS6_1.4 QS6_1.5 QS6_1.6 QS6_1.7 QS6_1.8 QS6_1.9 QS6_1.10 QS6_1.11 QS6_1.12 QS6_1.13 R1_1.1 R1_1.2 R2_1.1 R2_1.2 R3_1.1 R3_1.2 R4_1.1 R4_1.2 R5_1.1 R5_1.2 R6_1.1 R6_1.2 R7_1.1 R7_1.2 R8_1.1 R8_1.2 R9_1.1 R9_1.2 R10_1.1 R10_1.2 R11_1.1 R11_1.2 R12_1.1 R12_1.2 R13_1.1 R13_1.2 R14_1.1 R14_1.2 R15_1.1 R15_1.2 R16_1.1 R16_1.2 R17_1.1 R17_1.2 R18_1.1 R18_1.2 R19_1.1 R19_1.2 R20_1.1 R20_1.2 R21_1.1 R21_1.2 R22_1.1 R22_1.2 R24_1.1 R24_1.2 U1_1.1 U1_1.2 U1_1.3 U1_1.4 U1_1.5 U1_1.6 U1_1.7 U1_1.8 U2_1.1 U2_1.2 U2_1.3 U3_1.1 U3_1.2 U3_1.3 U4.21 U4.22 U4.23 U4.24 U4.36 U4.37 U4.38 U4.39 U4_1.1 U4_1.2 U4_1.3 U4_1.4 U4_1.5 U4_1.6 U4_1.7 U4_1.8 U4_1.9 U4_1.10 U4_1.11 U4_1.12 U4_1.13 U4_1.14 U4_1.15 U4_1.16 U4_1.17 U4_1.18 U4_1.19 U4_1.20 U4_1.21 U4_1.22 U4_1.23 U4_1.24 U4_1.25 U4_1.26 U4_1.27 U4_1.28 U4_1.29 U4_1.30 U4_1.31 U4_1.32 U4_1.33 U4_1.34 U4_1.35 U4_1.36 U4_1.37 U4_1.38 U4_1.39 U4_1.40 U4_1.41 U4_1.42 U4_1.43 U4_1.44 U4_1.45 U4_1.46 U4_1.47 U4_1.48 U4_1.49 U4_1.50 U4_1.51 U4_1.52 U4_1.53 U4_1.54 U4_1.55 U4_1.56 U4_1.57 U4_1.58 U4_1.59 U4_1.60 U4_1.61 U4_1.62 U4_1.63 U4_1.64 U4_1.65 U4_1.66 U4_1.67 U4_1.68 U4_1.69 U4_1.70 U4_1.71 U4_1.72 U4_1.73 U4_1.74 U4_1.75 U4_1.76 U4_1.77 U4_1.78 U4_1.79 U4_1.80 U5.1 U5.2 U5.3 U5.4 U5.7 U5.10 U5.15 U5.16 U5.17 U5.18 U5.19 U5.20 U5.22 U5.29 U5.32 U5.33 U5.38 U5.41 U5.44 U5_1.1 U5_1.2 U5_1.3 U5_1.4 U5_1.5 U5_1.6 U5_1.7 U5_1.8 U5_1.9 U5_1.10 U5_1.11 U5_1.12 U5_1.13 U5_1.14 U5_1.15 U5_1.16 U5_1.17 U5_1.18 U5_1.19 U5_1.20 U5_1.21 U5_1.22 U5_1.23 U5_1.24 U5_1.25 U5_1.26 U5_1.27 U5_1.28 U5_1.29 U5_1.30 U5_1.31 U5_1.32 U5_1.33 U5_1.34 U5_1.35 U5_1.36 U5_1.37 U5_1.38 U5_1.39 U5_1.40 U5_1.41 U5_1.42 U5_1.43 U5_1.44 U5_1.45 U5_1.46 U5_1.47 U5_1.48 UP1_1.1 UP1_1.2 UP2_1.1 UP2_1.2 UP3_1.1 UP3_1.2 UP4_1.1 UP4_1.2 Y1_1.1 Y1_1.2
copper on no net: | length 13211.2
  Top Layer w0.203: 176.017,62.171 177.749,62.171 179.206,63.627 v1(180.188,63.627) 187.477,63.627 191.532,67.681 195.746,67.681 ; 176.767,62.171 177.652,62.171 ; 176.784,61.998 177.652,62.171 ; 176.784,62.343 177.652,62.171 ; v1(182.855,55.778) 182.855,54.712 185.725,51.841 185.725,50.622